# KiCad board ovrdrive.kicad_pcb
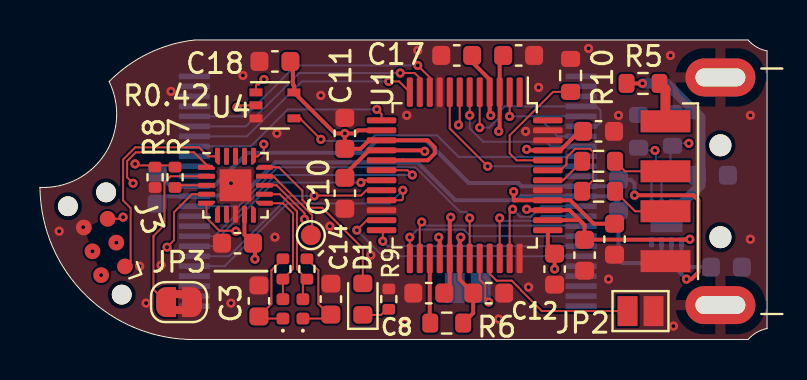
[diagram p0: board, top side]
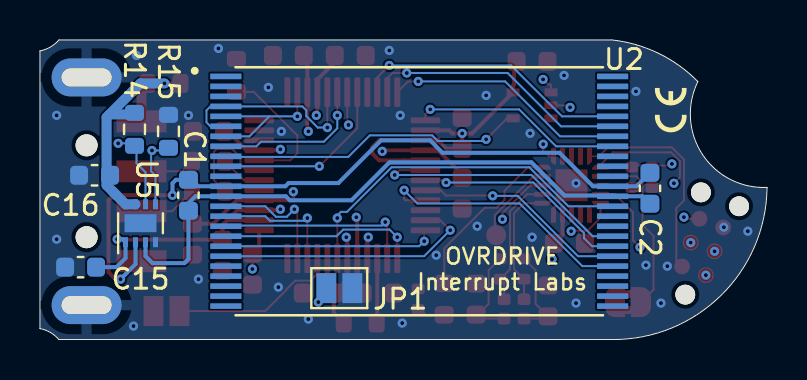
[diagram p1: board, bottom side, seen from below]

Outline 36.4 x 15 mm; copper layers: Top, In1.Cu, In2.Cu, Bottom. Coordinates in mm from the lower left corner of the outline.
Outline path: 3.46,12.92 arc(3.24,9.28) 0,7.62 arc(2.31,2.2) 7.76,0 35.45,0 arc(35.88,0.35) 36.4,0.55 36.4,14.45 arc(35.88,14.65) 35.45,15 7.76,15 arc(5.43,14.33) 3.46,12.92
Stack: Top 0.035mm / dielectric 0.15mm FR4 er 4.5 / In1.Cu 0.035mm / dielectric 0.15mm FR4 er 4.5 / In2.Cu 0.035mm / dielectric 0.15mm FR4 er 4.5 / Bottom 0.035mm

## Placement (name value [footprint] x y rotation side)
C1  100nF  [C_0603_1608Metric]  28.96 7.22 270 bottom
C2  1uF  [C_0603_1608Metric]  5.86 7.57 270 bottom
C3  1uF  [C_0603_1608Metric]  10.96 1.93 90 top
C4  1uF  [C_0603_1608Metric]  9.89 4.82 180 top
C5  4.7uF  [C_0603_1608Metric]  25.76 3.52 270 top
C6  4.7uF  [C_0603_1608Metric]  27.26 4.22 270 top
C7  4.7uF  [C_0603_1608Metric]  23.96 14.22 0 top
C8  1uF  [C_0603_1608Metric]  19.46 2.32 180 top
C9  1uF  [C_0603_1608Metric]  28.76 5.02 270 top
C10  1uF  [C_0603_1608Metric]  15.26 7.32 270 top
C11  1uF  [C_0603_1608Metric]  15.26 10.32 90 top
C12  1uF  [C_0603_1608Metric]  22.46 2.32 0 top
C13  1uF  [C_0603_1608Metric]  27.96 10.42 0 top
C14  1uF  [C_0603_1608Metric]  14.56 2.02 90 top
C15  100nF  [C_0603_1608Metric]  34.36 3.62 0 bottom
C16  100nF  [C_0603_1608Metric]  33.66 8.22 0 bottom
C17  1uF  [C_0603_1608Metric]  20.86 14.22 180 top
C18  100nF  [C_0603_1608Metric]  11.76 13.92 180 top
D1  LED  [LED_0603_1608Metric]  16.16 2.02 90 top
D2  BAS70LP-7B  [D_0402_1005Metric]  12.16 1.53 90 top
D3  BAS70LP-7B  [D_0402_1005Metric]  13.16 1.53 90 top
J1  USB_A  [USB_A_CNCTech_1001-011-01101_Horizontal]  40.96 7.42 0 top
J3  AVR-ISP-6  [Tag-Connect_TC2030-IDC-NL_2x03_P1.27mm_Vertical]  3.22 4.63 110 top
JP1  SolderJumper_2_Open  [SolderJumper-2_P1.3mm_Open_Pad1.0x1.5mm]  21.41 2.57 0 bottom
JP2  SolderJumper_2_Open  [SolderJumper-2_P1.3mm_Open_Pad1.0x1.5mm]  30.06 1.42 180 top
JP3  SolderJumper_2_Bridged  [SolderJumper-2_P1.3mm_Bridged2Bar_RoundedPad1.0x1.5mm]  6.96 1.87 180 top
R1  1M  [R_0402_1005Metric]  12.16 3.53 90 top
R2  1M  [R_0402_1005Metric]  13.36 3.53 90 top
R3  2.2R  [R_0603_1608Metric]  27.96 7.42 180 top
R4  2.2R  [R_0603_1608Metric]  27.96 8.92 180 top
R5  0R  [R_0603_1608Metric]  30.19 12.82 180 top
R6  1k  [R_0603_1608Metric]  20.36 0.82 180 top
R7  10k  [R_0402_1005Metric]  6.76 8.12 270 top
R8  10k  [R_0402_1005Metric]  5.76 8.12 90 top
R9  1k  [R_0402_1005Metric]  17.46 2.02 270 top
R10  680R  [R_0603_1608Metric]  26.56 13.22 270 top
R14  10k  [R_0603_1608Metric]  31.66 10.52 90 bottom
R15  10k  [R_0603_1608Metric]  29.96 10.42 270 bottom
TP2  TestPoint  [TestPoint_Pad_D1.0mm]  13.56 5.22 0 top
U1  SM3257ENT  [TQFP-48_7x7mm_P0.5mm]  21.26 8.22 270 top
U2  FLASH  [tsop48]  17.41 7.42 180 bottom
U3  ATtiny24A-MM  [QFN-20-1EP_3x3mm_P0.45mm_EP1.6x1.6mm]  9.79 7.72 0 top
U4  SN74LVC1G32DCKR  [SOT-353_SC-70-5]  11.76 11.72 0 top
U5  DRV8837C  [WSON-8-1EP_2x2mm_P0.5mm_EP0.9x1.6mm]  31.36 5.82 90 bottom

## Library data of the parts
C1 C15 C16 C18 = -: Description: Unpolarized capacitor, small symbol; MPN: CC0603KRX7R7BB104
C2 C4 C8-C13 C17 = -: Description: Unpolarized capacitor, small symbol; MPN: CC0603KRX7R7BB105
C3 C14 = -: Description: Unpolarized capacitor, small symbol
C5-C7 = -: Description: Unpolarized capacitor, small symbol; MPN: CL10A475KP8NNNC
D1 = -: Description: Light emitting diode; MPN: XZMG53W-1
D2 D3 = -: Description: Schottky diode
J1 = -: Description: USB Type A connector; MPN: 0480372200
J3 = -: Description: Atmel 6-pin ISP connector; MPN: 20021112-00006T4LF
JP1 JP2 = -: Description: Solder Jumper, 2-pole, open
JP3 = -: Description: Solder Jumper, 2-pole, closed/bridged
R1 R2 = -: Description: Resistor, small US symbol; MPN: RC0402FR-071ML
R3 R4 = -: Description: Resistor, small US symbol; MPN: RC0603FR-072R2L
R5 = -: Description: Resistor, small US symbol; MPN: RC0603FR-070RL
R6 = -: Description: Resistor, small US symbol; MPN: RC0603FR-071KL
R7 R8 R14 R15 = -: Description: Resistor, small US symbol; MPN: RC0402FR-0710KL
R9 = -: Description: Resistor, small US symbol; MPN: RC0402FR-071KL
R10 = -: Description: Resistor, small US symbol; MPN: RC0603FR-07680RL
TP2 = -: Description: test point
U1 = -: MPN: SM3257ENAA
U2 = -: MPN: MT29F64G08CBABAWP; STANDARD: IPC 7351B
U3 = -: Description: 20MHz, 2kB Flash, 128B SRAM, 128B EEPROM, debugWIRE, QFN-20; MPN: ATTINY24A-MMHR
U4 = -: Description: Single OR Gate, Low-Voltage CMOS
U5 = -: Description: H-Bridge driver, 1A, Low Voltage, PWM input, WSON-8; MPN: DRV8837CDSGR

## Footprints (pads in the part's own frame, mm; a bottom-side part is the same pattern mirrored in y, then rotated)
C_0603_1608Metric
  rrect 0.9x0.95 smd: 1(-0.775,0) 2(0.775,0)
D_0402_1005Metric
  rrect 0.59x0.64 smd: 1(-0.485,0) 2(0.485,0)
LED_0603_1608Metric
  rrect 0.875x0.95 smd: 1(-0.787,0) 2(0.787,0)
QFN-20-1EP_3x3mm_P0.45mm_EP1.6x1.6mm
  rrect 0.64x0.64 smd: (-0.4,0.4) (-0.4,-0.4) (0.4,0.4) (0.4,-0.4)
  custom 0.85x0.25 smd: 1(-1.45,0.9) 5(-1.45,-0.9) 11(1.45,-0.9) 15(1.45,0.9)
  rrect 0.85x0.25 smd: 2(-1.45,0.45) 3(-1.45,0) 4(-1.45,-0.45) 12(1.45,-0.45) 13(1.45,0) 14(1.45,0.45)
  custom 0.25x0.85 smd: 6(-0.9,-1.45) 10(0.9,-1.45) 16(0.9,1.45) 20(-0.9,1.45)
  rrect 0.25x0.85 smd: 7(-0.45,-1.45) 8(0,-1.45) 9(0.45,-1.45) 17(0.45,1.45) 18(0,1.45) 19(-0.45,1.45)
  rect 1.6x1.6 smd: 21(0,0)
R_0402_1005Metric
  rrect 0.54x0.64 smd: 1(-0.51,0) 2(0.51,0)
R_0603_1608Metric
  rrect 0.8x0.95 smd: 1(-0.825,0) 2(0.825,0)
SolderJumper-2_P1.3mm_Bridged2Bar_RoundedPad1.0x1.5mm
  custom 1x1.5 smd: 1(-0.65,0) 2(0.65,0)
SolderJumper-2_P1.3mm_Open_Pad1.0x1.5mm
  rect 1x1.5 smd: 1(-0.65,0) 2(0.65,0)
SOT-353_SC-70-5
  rect 0.65x0.4 smd: 1(-0.95,0.65) 2(-0.95,0) 3(-0.95,-0.65) 4(0.95,-0.65) 5(0.95,0.65)
Tag-Connect_TC2030-IDC-NL_2x03_P1.27mm_Vertical
  round 0.991 hole 0.991 unplated: (-2.54,0) (2.54,1.016) (2.54,-1.016)
  round 0.787 smd: 1(-1.27,-0.635) 2(-1.27,0.635) 3(0,-0.635) 4(0,0.635) 5(1.27,-0.635) 6(1.27,0.635)
TestPoint_Pad_D1.0mm
  round 1 smd: 1(0,0)
TQFP-48_7x7mm_P0.5mm
  rrect 1.475x0.3 smd: 1(-4.162,2.75) 2(-4.162,2.25) 3(-4.162,1.75) 4(-4.162,1.25) 5(-4.162,0.75) 6(-4.162,0.25) 7(-4.162,-0.25) 8(-4.162,-0.75) 9(-4.162,-1.25) 10(-4.162,-1.75) 11(-4.162,-2.25) 12(-4.162,-2.75) 25(4.162,-2.75) 26(4.162,-2.25) 27(4.162,-1.75) 28(4.162,-1.25) 29(4.162,-0.75) 30(4.162,-0.25) 31(4.162,0.25) 32(4.162,0.75) 33(4.162,1.25) 34(4.162,1.75) 35(4.162,2.25) 36(4.162,2.75)
  rrect 0.3x1.475 smd: 13(-2.75,-4.162) 14(-2.25,-4.162) 15(-1.75,-4.162) 16(-1.25,-4.162) 17(-0.75,-4.162) 18(-0.25,-4.162) 19(0.25,-4.162) 20(0.75,-4.162) 21(1.25,-4.162) 22(1.75,-4.162) 23(2.25,-4.162) 24(2.75,-4.162) 37(2.75,4.162) 38(2.25,4.162) 39(1.75,4.162) 40(1.25,4.162) 41(0.75,4.162) 42(0.25,4.162) 43(-0.25,4.162) 44(-0.75,4.162) 45(-1.25,4.162) 46(-1.75,4.162) 47(-2.25,4.162) 48(-2.75,4.162)
tsop48
  rrect 1.56x0.28 smd: 1(-9.68,5.75) 2(-9.68,5.25) 3(-9.68,4.75) 4(-9.68,4.25) 5(-9.68,3.75) 6(-9.68,3.25) 7(-9.68,2.75) 8(-9.68,2.25) 9(-9.68,1.75) 10(-9.68,1.25) 11(-9.68,0.75) 12(-9.68,0.25) 13(-9.68,-0.25) 14(-9.68,-0.75) 15(-9.68,-1.25) 16(-9.68,-1.75) 17(-9.68,-2.25) 18(-9.68,-2.75) 19(-9.68,-3.25) 20(-9.68,-3.75) 21(-9.68,-4.25) 22(-9.68,-4.75) 23(-9.68,-5.25) 24(-9.68,-5.75) 25(9.68,-5.75) 26(9.68,-5.25) 27(9.68,-4.75) 28(9.68,-4.25) 29(9.68,-3.75) 30(9.68,-3.25) 31(9.68,-2.75) 32(9.68,-2.25) 33(9.68,-1.75) 34(9.68,-1.25) 35(9.68,-0.75) 36(9.68,-0.25) 37(9.68,0.25) 38(9.68,0.75) 39(9.68,1.25) 40(9.68,1.75) 41(9.68,2.25) 42(9.68,2.75) 43(9.68,3.25) 44(9.68,3.75) 45(9.68,4.25) 46(9.68,4.75) 47(9.68,5.25) 48(9.68,5.75)
USB_A_CNCTech_1001-011-01101_Horizontal
  round 1.1 hole 1.1 unplated: (-6.9,2.3) (-6.9,-2.3)
  rect 2.5x1.1 smd: 1(-9.65,3.5) 2(-9.65,1) 3(-9.65,-1) 4(-9.65,-3.5)
  oval 3.5x1.9 hole 2.5x0.9: 5(-6.9,5.7) 5(-6.9,-5.7)
WSON-8-1EP_2x2mm_P0.5mm_EP0.9x1.6mm
  rect 0.75x0.65 smd: (0,-0.4) (0,0.4)
  rect 0.5x0.25 smd: 1(-0.95,0.75) 2(-0.95,0.25) 3(-0.95,-0.25) 4(-0.95,-0.75) 5(0.95,-0.75) 6(0.95,-0.25) 7(0.95,0.25) 8(0.95,0.75)
  rect 0.9x1.6 smd: 9(0,0)

## Nets
+1V8: C7.1 C8.1 C9.1 C10.1 U1.3 U1.16 U1.29 U1.40
+3.3V: C6.1 C11.1 C12.1 C13.1 C15.1 C17.1 C18.1 R6.1 U1.4 U1.14 U1.15 U1.17 U1.28 U1.30 U1.38 U1.39 U1.45 U4.5 U5.1
+5V: C4.1 C5.1 C16.1 J3.2 R5.2 R14.2 U1.37 U3.9 U5.7 U5.8
GND: C3.2 C4.2 C5.2 C6.2 C7.2 C8.2 C9.2 C10.2 C11.2 C12.2 C13.2 C14.2 C15.2 C16.2 C17.2 C18.2 J1.4 J1.5 J3.6 JP1.1 JP2.1 JP3.1 R8.1 R9.1 R10.1 R15.1 U1.9 U1.22 U1.36 U1.41 U1.46 U1.47 U3.8 U3.21 U4.3 U5.4 U5.9
/ALE: U1.25 U2.17
/CHG1: D2.2 R1.1 U3.11
/CHG2: D3.2 R2.1 U3.12
/CLE: U1.26 U2.16
/DM: R4.2 U1.42
/DP: R3.2 U1.43
/DQS: U1.31 U2.35
/FD0: U1.21 U2.29
/FD1: U1.20 U2.30
/FD2: U1.19 U2.31
/FD3: U1.18 U2.32
/FD4: U1.13 U2.41
/FD5: U1.12 U2.42
/FD6: U1.11 U2.43
/FD7: U1.10 U2.44
/IN1: R14.1 U3.5 U5.6
/IN2: R15.2 U3.4 U5.5
/INHIBIT: R7.1 R8.2 U4.2
/MISO: J3.1 U3.20
/MOSI: J3.4 U3.16
/PB2: TP2.1 U3.14
/RB0: U1.5 U2.4 U2.6
/RB1: U1.2 U2.5 U2.7
/SCK: J3.3 U3.1
/~{CE1}: U1.8 U2.10
/~{CE2}: U1.35 U2.14
/~{CE3}: U1.34 U2.15
/~{CE}: U1.7 U4.1
/~{RE}: U1.6 U2.8
/~{RST}: J3.5 U3.13
/~{WE}: U1.24 U2.18
/~{WP}: U1.23 U2.19
VMEM: C1.1 C2.1 U2.12 U2.37 U5.2
VS: C1.2 C2.2 U2.13 U2.36 U5.3
Net-(D1-A): D1.2 U3.15
Net-(D1-K): D1.1 R9.2
Net-(D2-K): C3.1 D2.1 R1.2
Net-(D3-K): C14.1 D3.1 R2.2
Net-(J1-D+): J1.3 R3.1
Net-(J1-D-): J1.2 R4.1
Net-(J1-VBUS): J1.1 R5.1
Net-(JP1-B): JP1.2 U1.32
Net-(JP2-B): JP2.2 U1.33
Net-(JP3-B): JP3.2 U3.2
Net-(U1-RREF/NC): R10.2 U1.44
Net-(U1-TESTN): R6.2 U1.27
Net-(U2A-~{CE}): U2.9 U4.4
Net-(U3-PA2): R7.2 U3.3

Pads without a net: U1 1 48; U2 1 2 3 11 20 21 22 23 24 25 26 27 28 33 34 38 39 40 45 46 47 48; U3 6 7 10 17 18 19

## Via types
v1: diameter 0.46, hole 0.2, Top to Bottom, 80 vias

## Routing (per net, layer and track width the routed paths; a pad name or vN(x,y) marks a point on that pad's centre or on a via; arc(x,y) is an arc through that point)
+1V8: length 18.5
  Top w0.2: v1(23.71,7.4) 23.71,6.97 U1.40 26.55,6.97 27.72,5.8 C9.1 ; v1(20.56,6.12) 20.51,6.07 U1.29 20.51,2.6 C8.1 ; C10.1 15.26,8.26 16.47,9.47 U1.16 19.21,9.47 v1(19.26,9.42) ; v1(22.96,10.42) 23.01,10.47 U1.3 23.01,14.05 C7.1
+3.3V: length 42.5
  Top w0.1: 26.93,10.42 C13.1
  Top w0.2: v1(15.26,10.32) 15.76,10.32 15.91,10.47 U1.14 ; v1(15.26,10.32) 14.77,10.32 U4.5 12.71,12.72 12.66,12.77 12.66,13.8 C18.1 ; v1(15.26,10.32) C11.1 16.05,9.55 16.47,9.97 U1.15 19.41,9.97 19.76,9.62 19.76,9.32 19.42,8.97 U1.17 ; v1(32.53,5.02) 32.51,5 C6.1 27.26,5.72 ; 27.26,5.72 26.51,6.47 U1.39 24.41,6.47 v1(24.36,6.52) ; 27.26,5.72 27.01,5.97 U1.38 ; C13.1 27,10.42 26.05,9.47 U1.45 24.41,9.47 v1(24.36,9.52) ; v1(21.06,5.12) 21.01,5.07 U1.30 21.01,3 C12.1 21.69,1.32 R6.1 ; v1(22.56,11.22) 22.51,11.27 U1.4 22.51,13.01 21.64,13.89 C17.1 ; v1(19.96,5.12) 20.01,5.07 U1.28
  Bottom w0.2: v1(32.53,5.02) 32.26,5.02 U5.1 32.11,4.07 32.56,3.62 C15.1
+5V: length 52.1
  Top w0.2: v1(25.76,3.53) C5.1 25.42,4.64 U1.37 ; U3.9 10.24,5.25 C4.1 10.76,4.72 v1(10.76,4.02) ; R5.2 v1(30.16,12.82)
  In1.Cu w0.2: v1(30.16,12.82) 29.76,12.82 28.26,11.32 28.26,4.12 27.67,3.53 v1(25.76,3.53) 25.76,3.52 16.16,3.52 15.76,3.12 10.76,3.12 ; v1(10.76,4.02) 10.76,3.12 ; 10.76,3.12 3.16,3.12 v1(3.06,3.22)
  Bottom w0.5: 32.56,7.22 33.06,7.72 33.06,11.12 32.91,11.27 ; 32.56,7.22 U5.8 U5.7 ; 32.56,7.22 32.76,7.42 ; v1(30.16,12.82) 31.36,12.82 32.91,11.27 ; 31.59,11.27 32.91,11.27
GND:
  vias: v1(0.96,5.42) v1(2.16,5.62) v1(4.99,3.67) v1(5.31,1.82) v1(6.06,3.72) v1(6.56,12.42) v1(9.56,7.82) v1(9.56,1.82) v1(10.16,13.22) v1(11.76,5.12) v1(11.86,10.32) v1(14.06,12.22) v1(14.51,5.67) v1(16.56,4.22) v1(18.26,0.82) v1(18.36,11.22) v1(18.91,14.47) v1(22.96,1.02) v1(24.31,10.42) v1(24.46,2.62) v1(24.96,12.62) v1(27.46,14.57) v1(28.46,3.02) v1(28.96,11.22) v1(31.56,14.22) v1(31.71,0.67) v1(35.56,11.22) v1(35.56,5.02)
/ALE: length 9.9
  Top w0.1: v1(18.51,5.12) U1.25
  Bottom w0.1: v1(18.51,5.12) 18.89,5.5 21.22,5.5 21.55,5.17 U2.17
/CHG1: length 6.1
  Top w0.1: D2.2 R1.1 12.67,3.53 12.67,6.32 12.16,6.82 U3.11
/CHG2: length 6.6
  Top w0.1: U3.12 12.01,7.27 12.87,6.42 12.87,3.52 R2.1 ; 13.16,3.02 D3.2
/CLE: length 9.9
  Top w0.1: v1(19.11,5.88) 19.01,5.78 U1.26
  Bottom w0.1: v1(19.11,5.88) 19.29,5.7 27.06,5.7 U2.16
/DM: length 2.1
  Top w0.1: R4.2 26.19,7.97 U1.42
/DP: length 5.2
  Top w0.1: R3.2 27.69,7.97 27.69,9.4 27.54,9.55 26.79,9.55 26.36,9.12 26.36,8.77 26.06,8.47 U1.43
/DQS: length 17.7
  Top w0.1: U1.31 v1(21.51,6.08)
  Bottom w0.1: U2.35 9.95,6.67 11.9,8.62 18.79,8.62 21.02,6.39 21.33,6.39 21.51,6.21 v1(21.51,6.08)
/FD0: length 13.5
  Top w0.1: U1.21 18.11,6.97 18.17,7.03 v1(18.17,7.47)
  Bottom w0.1: U2.29 9.24,3.67 12.38,6.81 17.51,6.81 v1(18.17,7.47)
/FD1: length 10.7
  Top w0.1: v1(13.73,7.19) 13.75,7.21 16.08,7.21 16.34,7.47 U1.20
  Bottom w0.1: U2.30 9.46,4.17 12.48,7.19 v1(13.73,7.19)
/FD2: length 10.9
  Top w0.1: U1.19 16.18,7.97 v1(16.07,7.86)
  Bottom w0.1: U2.31 8.76,4.67 9.16,5.07 9.16,5.32 11.7,7.86 v1(16.07,7.86)
/FD3: length 13.8
  Top w0.1: v1(18.64,8.24) 18.4,8.47 U1.18
  Bottom w0.1: v1(18.64,8.24) 11.79,8.24 8.73,5.17 U2.32
/FD4: length 10.5
  Top w0.1: U1.13 17.1,11.29 v1(16.86,11.52)
  Bottom w0.1: v1(16.86,11.52) 12.41,11.52 10.56,9.67 U2.41
/FD5: length 12.1
  Top w0.1: v1(17.46,12.92) 17.97,12.92 U1.12
  Bottom w0.1: U2.42 10.36,10.17 13.11,12.92 v1(17.46,12.92)
/FD6: length 13.2
  Top w0.1: v1(18.03,13.34) 18.75,13.34 19.01,13.09 U1.11
  Bottom w0.1: v1(18.03,13.34) 12.98,13.34 10.31,10.67 U2.43
/FD7: length 13.8
  Top w0.1: U1.10 19.51,13.12 v1(18.91,13.72)
  Bottom w0.1: v1(18.91,13.72) 12.81,13.72 10.26,11.17 U2.44
/IN1: length 31
  Top w0.1: U3.5 8.34,6.09 8.98,5.45 9.78,5.45 v1(9.81,5.42)
  In2.Cu w0.1: v1(9.81,5.42) 10.81,6.42 15.17,6.42 16.6,7.86 18.8,7.86 19.99,9.05 29.34,9.05 30.13,9.85 32.46,9.85 v1(32.48,9.82)
  Bottom w0.1: v1(32.48,9.82) 31.79,9.82 31.56,9.6 31.56,8.82 31.11,8.37 U5.6
/IN2: length 34
  Top w0.1: U3.4 7.61,7.27 6.71,6.37 6.71,4.97 v1(6.36,4.62)
  In2.Cu w0.1: v1(6.36,4.62) 9.96,4.62 10.96,5.62 13.92,5.62 14.52,6.22 18.16,6.22 19.96,8.02 23.56,8.02 24.39,8.85 29.59,8.85 30.16,9.42 30.75,9.42 v1(30.79,9.47)
  Bottom w0.1: R15.2 30.09,9.47 v1(30.79,9.47) 30.83,9.42 30.83,8.42 30.61,8.2 U5.5
/INHIBIT: length 9.3
  Top w0.1: U4.2 9.96,11.72 v1(9.86,11.62) ; v1(4.76,8.79) 4.84,8.71 6.74,8.71 6.76,8.73
  In2.Cu w0.1: v1(9.86,11.62) 7.56,11.62 4.76,8.82 v1(4.76,8.79)
/MISO: length 10.8
  Top w0.1: U3.20 8.41,9.17 7.96,9.62 4.77,9.62 4.16,9.01 4.16,6.96 4.54,6.58 4.54,3.94 J3.1
/MOSI: length 12.3
  Top w0.1: v1(11.21,9.78) 11.21,9.47 10.91,9.17 10.69,9.17
  In2.Cu w0.1: v1(2.63,4.42) 2.89,4.68 2.89,5.69 4.15,6.95 5.29,6.95 6.96,8.62 10.05,8.62 v1(11.21,9.78)
/PB2: length 4.2
  Top w0.1: U3.14 11.68,8.17 13.63,6.23 13.63,5.29 TP2.1
/RB0: length 9.4
  Top w0.1: U1.5 v1(22.01,10.61)
  Bottom w0.1: U2.6 27.86,10.67 28.06,10.87 28.06,11.47 27.86,11.67 ; v1(22.01,10.61) 22.49,10.61 23.06,11.19 23.06,11.47 23.26,11.67 U2.4
/RB1: length 7.4
  Top w0.1: U1.2 v1(23.51,11.17)
  Bottom w0.1: 24.91,11.17 25.91,10.17 U2.7 ; 24.91,11.17 U2.5 ; 24.91,11.17 v1(23.51,11.17)
/SCK: length 9.1
  Top w0.1: v1(4.66,7.82) 4.36,8.12 4.36,8.93 4.8,9.37 7.71,9.37 8.34,8.75 U3.1
  In1.Cu w0.1: 3.78,4.89 v1(3.82,4.85) 4.66,5.69 v1(4.66,7.82)
/~{CE1}: length 9.2
  Top w0.1: U1.8 20.51,10.57 v1(22.41,8.67)
  Bottom w0.1: U2.10 v1(22.41,8.67)
/~{CE2}: length 6.3
  Top w0.1: v1(23.66,6.52) 23.51,6.37 U1.35
  Bottom w0.1: U2.14 25.11,6.67 24.58,6.14 24.04,6.14 v1(23.66,6.52)
/~{CE3}: length 6.3
  Top w0.1: U1.34 v1(23.01,6.08)
  Bottom w0.1: U2.15 25.11,6.17 24.88,5.94 23.15,5.94 v1(23.01,6.08)
/~{CE}: length 13.2
  Top w0.1: v1(20.95,10.74) 21.01,10.8 U1.7 ; v1(11.21,13.02) 10.96,12.77 10.86,12.77 10.81,12.72 U4.1
  In2.Cu w0.1: v1(11.21,13.02) 13.49,10.74 v1(20.95,10.74)
/~{RE}: length 7.8
  Top w0.1: U1.6 v1(21.51,11.22)
  Bottom w0.1: v1(21.51,11.22) 21.51,10.58 22.18,9.9 25.33,9.9 25.56,9.67 U2.8
/~{RST}: length 13.8
  Top w0.1: v1(4.16,6.13) 4.08,6.04 J3.5 ; U3.13 11.84,7.72 13.25,6.32 v1(13.25,6.02)
  In2.Cu w0.1: 5.56,5.04 9.96,5.04 10.94,6.02 v1(13.25,6.02) ; 5.56,5.04 5.35,5.04 ; 5.56,5.04 5.25,5.04 v1(4.16,6.13)
/~{WE}: length 10.6
  Top w0.1: U1.24 17.16,5.41 v1(17.16,4.92)
  Bottom w0.1: v1(17.16,4.92) 17.41,4.67 U2.18
/~{WP}: length 13.2
  Top w0.1: U1.23 16.36,5.97 v1(15.86,5.47)
  Bottom w0.1: U2.19 17.16,4.17 v1(15.86,5.47)
VMEM: length 36.7
  Top w0.2: v1(29.76,7.22) 32.71,7.22 32.96,6.97 32.96,3.37 32.61,3.02 v1(32.36,3.02)
  Bottom w0.2: 5.86,8.35 6.54,7.67 U2.37 8.71,7.67 10.39,9.35 16.24,9.35 16.87,9.97 19.32,9.97 21.46,7.83 23.95,7.83 24.11,7.67 U2.12 28.59,7.67 28.94,8.02 C1.1 29.59,8 29.76,7.82 v1(29.76,7.22) ; v1(32.36,3.02) 31.61,3.77 U5.2
VS: length 40.3
  Bottom w0.1: 10.16,7.17 11.81,8.82 18.9,8.82
  Bottom w0.2: U5.3 31.11,4.17 30.76,3.82 29.16,3.82 28.96,4.02 C1.2 28.96,6.82 28.61,7.17 U2.13 24.09,7.17 23.89,6.97 20.8,6.97 18.9,8.87 11.79,8.87 10.13,7.21 7.76,7.21 U2.36 6.24,7.17 C2.2
Net-(D1-A): length 8.6
  Top w0.1: U3.15 11.96,8.62 13.14,7.45 13.14,7 13.54,6.6 14.12,6.6 16.16,4.56 D1.2
Net-(D1-K): length 1.3
  Top w0.1: 17.36,1.51 17.08,1.24 D1.1
Net-(D2-K): length 4.6
  Top w0.1: D2.1 11.07,1.05 C3.1 11.59,1.78 11.59,3.47 R1.2
Net-(D3-K): length 4.6
  Top w0.1: R2.2 13.94,3.47 13.94,1.78 14.56,1.16 ; D3.1 14.25,1.05 14.36,1.16
Net-(J1-D+): length 2.9
  Top w0.1: R3.1 29.79,6.42 J1.3
Net-(J1-D-): length 2.7
  Top w0.1: J1.2 29.29,8.42 R4.1
Net-(J1-VBUS): length 2
  Top w0.5: J1.1 31.31,12.52 R5.1
Net-(JP1-B): length 2.4
  Top w0.1: U1.32 22.01,3 22.29,2.73 22.29,2.05 v1(22.46,1.87)
Net-(JP2-B): length 8.5
  Top w0.1: JP2.2 25.12,1.42 24.08,2.47 24.08,2.48 23.62,2.95 22.86,2.95 22.51,3.29 U1.33
Net-(JP3-B): length 8.7
  Top w0.1: U3.2 6.54,8.17 6.23,7.87 6.23,5.73 5.68,5.18 5.68,2.5 JP3.2
Net-(U1-RREF/NC): length 6.9
  Top w0.1: U1.44 23.86,8.97 23.51,9.32 23.51,10.22 25.69,12.4 26.56,12.4
Net-(U1-TESTN): length 3.2
  Top w0.2: R6.2 19.51,0.85 U1.27
Net-(U2A-~{CE}): length 15.8
  Top w0.1: 13.06,11.07 U4.4 13.01,11.07 v1(14.06,10.02)
  Bottom w0.1: U2.9 27.06,9.14 20.96,9.14 19.88,10.22 16.76,10.22 16.48,9.94 14.15,9.94 v1(14.06,10.02)
Net-(U3-PA2): length 1.5
  Top w0.1: 6.89,7.73 6.9,7.72 U3.3

## Copper pours and planes (outline as drawn; the poured copper is in the pictures)
+1V8 on In1.Cu: 23.96,5.82 18.96,5.82 18.96,10.72 23.96,10.72
+3.3V on In1.Cu: 27.96,4.02 20.86,4.02 12.66,8.72 12.66,13.12 27.96,13.12
GND on Top, Bottom, In1.Cu, In2.Cu: 36.76,-0.28 -1.14,-0.28 -1.14,15.32 36.76,15.32

## Text on the board
B.Silkscreen: OVRDRIVE / Interrupt Labs
F.Silkscreen: R0.42
